# Allegro board board_orcad.brd (continued)
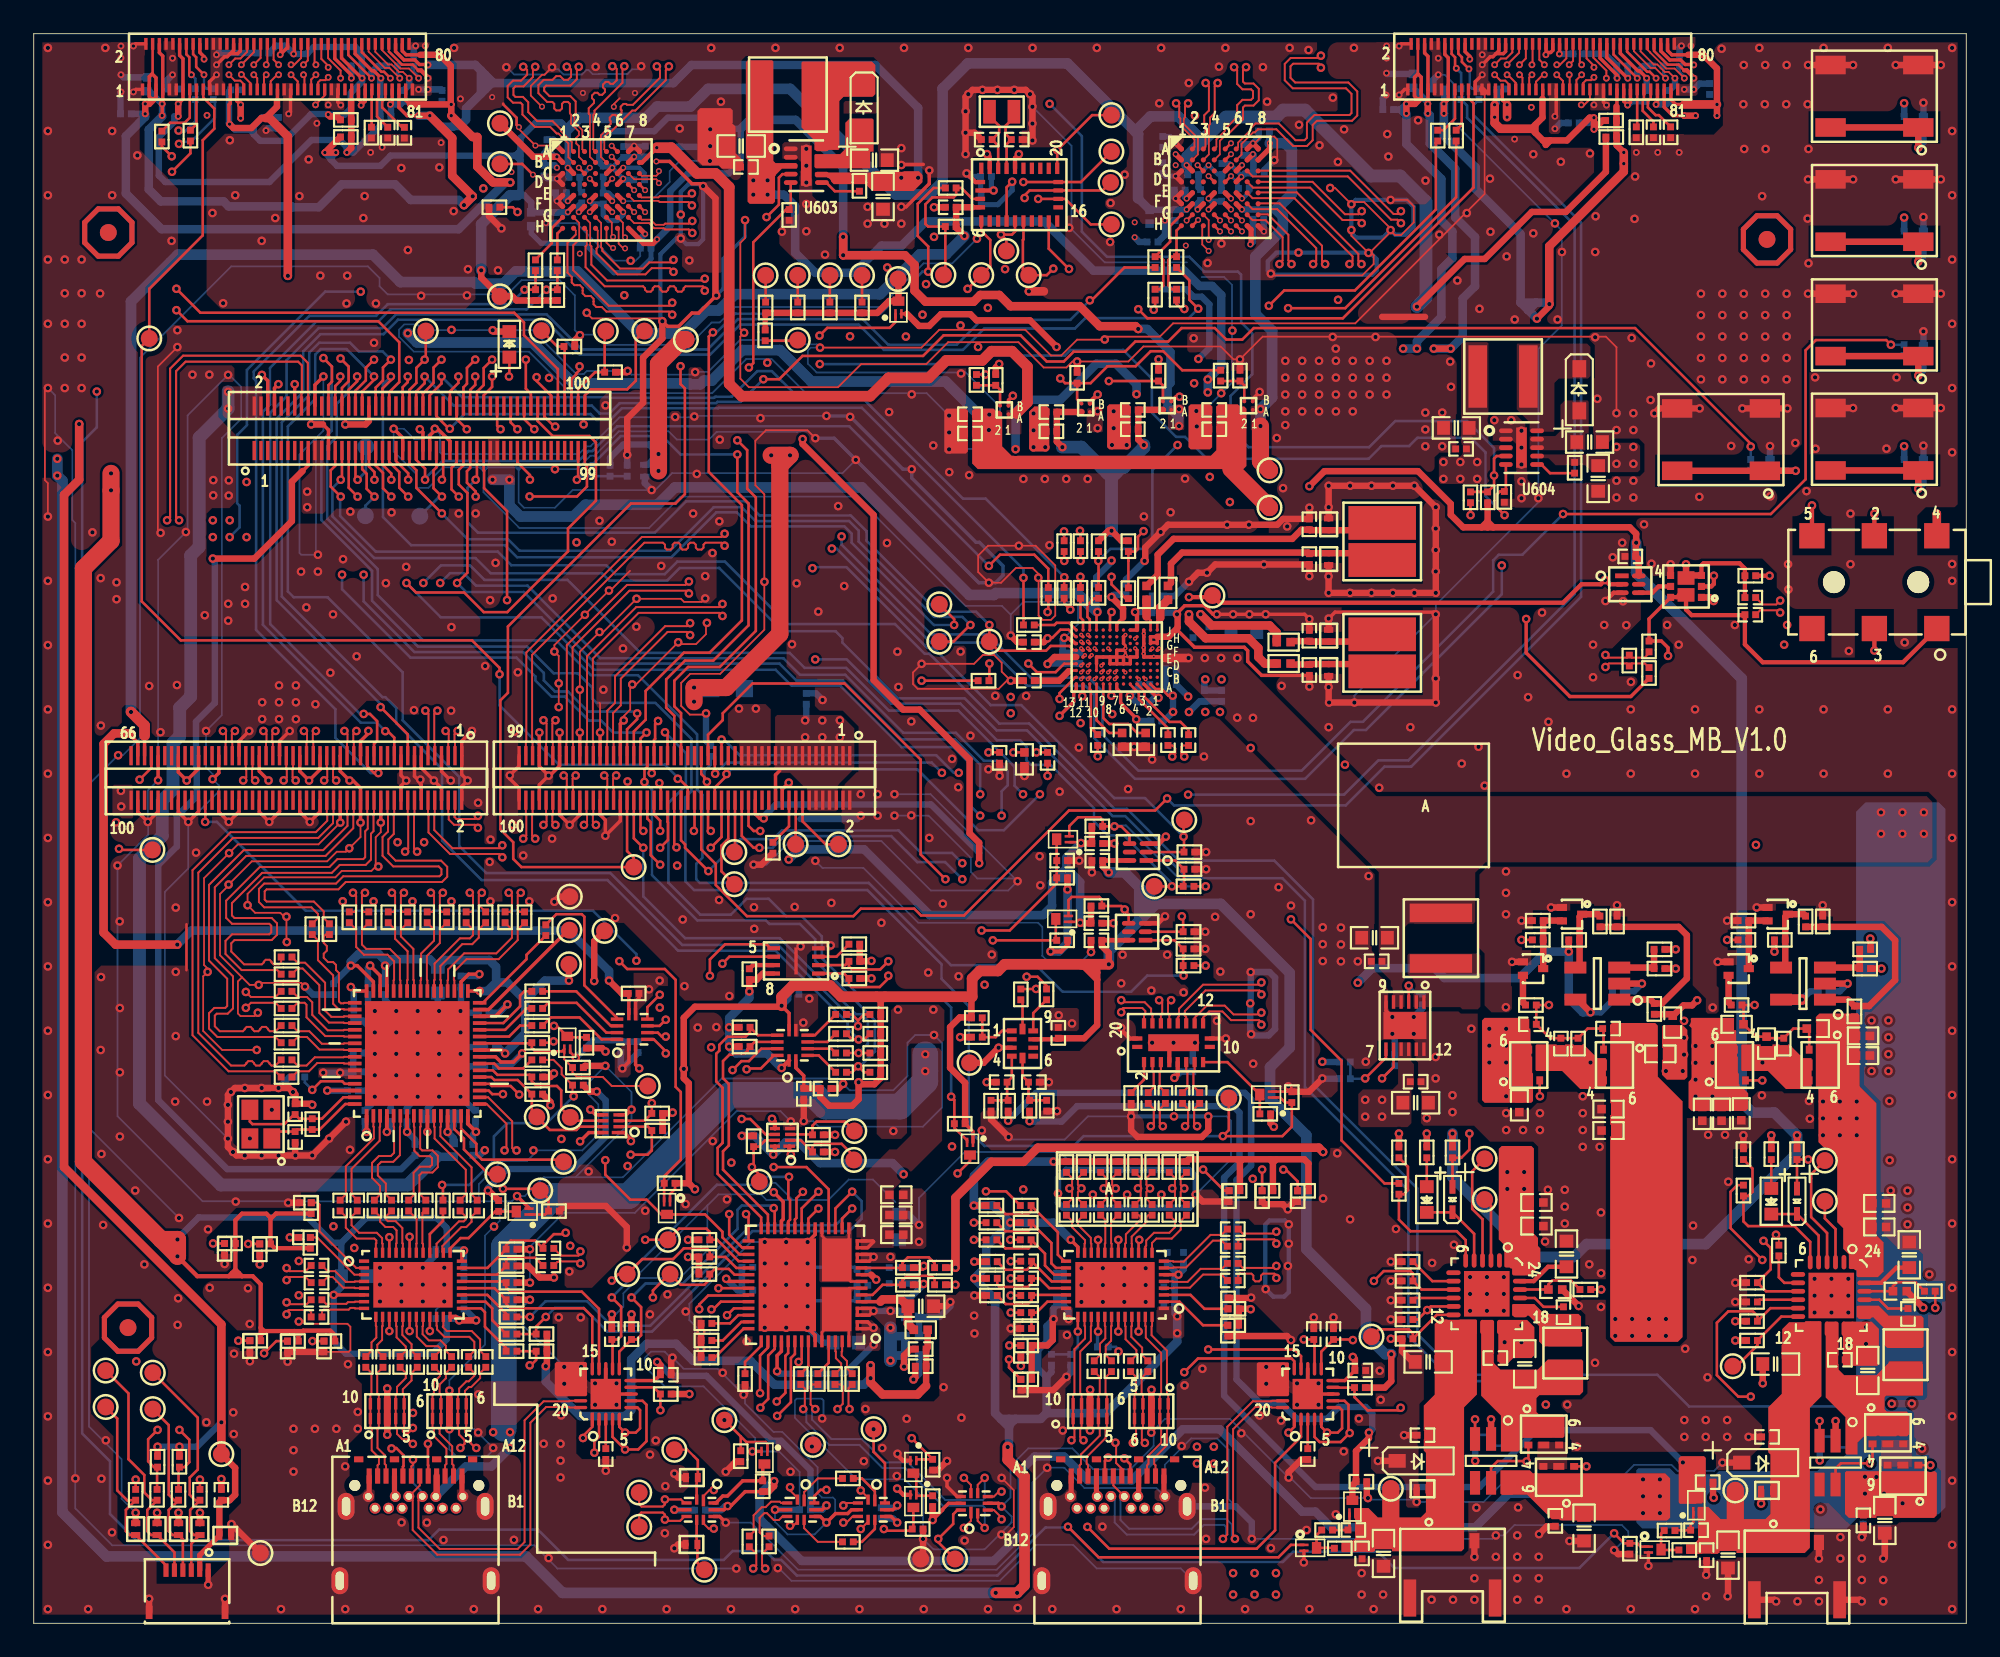
[diagram p0: board, top side]
## Routing (per net, layer and track width the routed paths; a pad name or vN(x,y) marks a point on that pad's centre or on a via; arc(x,y) is an arc through that point) (continued)
N15460207: length 4.5
  TOP w0.114: R742.1 21.42,41.13 21.42,40.58 22.16,39.84 22.16,38.15 22.13,38.12 U705.42
N15460545: length 4.5
  TOP w0.114: U705.41 22.53,38.12 22.5,38.15 22.5,39.98 21.76,40.72 21.76,41.13 R743.1
N15460884: length 4.5
  TOP w0.114: U705.40 22.93,38.12 22.96,38.15 22.96,39.7 23.73,40.47 23.73,41.13 R744.1
N15461224: length 4.5
  TOP w0.114: R745.1 24.07,41.13 24.07,40.33 23.3,39.56 23.3,38.15 23.33,38.12 U705.39
N15461565: length 5.5
  TOP w0.114: R746.1 26.04,41.13 26.04,40.79 25.85,40.6 25.26,40.6 23.76,39.11 23.76,38.15 23.73,38.12 U705.38
N15461907: length 5.5
  TOP w0.114: U705.37 24.13,38.12 24.1,38.15 24.1,38.96 25.4,40.26 25.99,40.26 26.38,40.65 26.38,41.13 R747.1
N15462250: length 6.9
  TOP w0.114: U705.36 24.53,38.12 24.56,38.15 24.56,38.76 25.51,39.71 27.42,39.71 28.35,40.64 28.35,41.13 R748.1
N15463405: length 6.9
  TOP w0.114: R749.1 28.69,41.13 28.69,40.5 27.56,39.37 25.65,39.37 24.9,38.62 24.9,38.15 24.93,38.12 U705.35
N15727685: length 3.8
  TOP w0.152: TP907.1 86.38,24.74 U901.3
N15728930: length 6.6
  TOP w0.152: U901.4 85.88,23.95 85.27,24.56 85.27,26.8 TP908.1
N15730580: length 3.9
  TOP w0.152: U902.3 106.8,23.37 106.17,24 TP910.1
N15731829: length 6.8
  TOP w0.152: TP909.1 105.36,26.62 105.36,24.08 106.3,23.14 U902.4
N15812820: length 4.1
  TOP w0.152: v1(78.92,32.3) 80.16,33.53 U803.7
  BOTTOM w0.152: R859.2 R860.1 78.91,32.28 v1(78.92,32.3)
N16283960: length 3
  TOP w0.152: R935.2 R936.2 57.02,34.75 57.4,35.12 U905.1
N16522035: length 8.1
  TOP w0.152: U602.D5 v2(34.29,85.64) ; v1(28.68,83.67) 28.4,83.95 R694.1
  ART03 w0.122: v1(28.68,83.67) 29.31,83.67 30.62,84.97 33.62,84.97 v2(34.29,85.64)
N16524234: length 1.4
  TOP w0.152: U601.D5 v2(70.97,85.79)
  BOTTOM w0.152: v2(70.97,85.79) 71.41,85.35 R684.1
N16591790: length 4.8
  TOP w0.152: TP716.1 26.97,26.62 25.5,28.09 25.5,28.73 24.93,29.3 U705.14
N16594066: length 8
  TOP w0.152: U705.15 25.33,29.33 26.24,28.42 26.24,27.81 26.57,27.48 31.28,27.48 TP717.1
N16795487: length 2.1
  TOP w0.152: R433.1 49.09,4.83 49.86,5.59 U405.7
N16795489: length 2.1
  TOP w0.152: U405.1 49.86,7.82 49.09,8.59 R432.1
N16795507: length 3.5
  TOP w0.114: U404.5 44.38,6.33 44.17,6.12 43.87,6.12 43.46,6.53 43.31,6.53 43.03,6.25 43.03,5.39 43.24,5.17 R431.1
N16795509: length 3.7
  TOP w0.114: R430.1 42.67,5.43 42.67,6.4 43.16,6.88 43.38,6.88 43.71,7.21 44.23,7.21 44.3,7.13 U404.3
N16856712: length 2
  TOP w0.152: R937.1 76.99,5.53 C936.2 77.99,5.62 Q809.1
N16875670: length 2.1
  TOP w0.152: Q810.1 98.37,5.99 98.22,5.83 C937.2 97.31,5.52 R938.1

## Copper pours and planes (outline as drawn; the poured copper is in the pictures)
GND on TOP (solid shape): 109.37,17.45 109.37,15.37 109.27,15.27 107.24,15.27 107.24,17.88 108.94,17.88
GND on TOP (solid shape): 32.79,15.42 32.79,13.54 32.72,13.46 31.01,13.46 30.89,13.59 30.89,15.39 30.99,15.49 32.72,15.49
GND on TOP (solid shape): 55.37,71.88 55.37,69.47 55.24,69.34 54.1,69.34 53.98,69.47 53.98,71.88 54.1,72.01 55.24,72.01
GND on TOP (solid shape): 60.2,72.01 60.2,69.6 60.07,69.47 59.16,69.47 59,69.62 59,71.82 59.32,72.14 60.07,72.14
GND on TOP (solid shape): 65.02,72.14 65.02,69.72 64.9,69.6 63.75,69.6 63.63,69.72 63.63,72.14 63.75,72.26 64.9,72.26
GND on TOP (solid shape): 69.85,72.14 69.85,69.72 69.72,69.6 68.58,69.6 68.45,69.72 68.45,72.14 68.58,72.26 69.72,72.26
GND on TOP (solid shape): 74.4,15.42 74.4,13.54 74.33,13.46 72.63,13.46 72.5,13.59 72.5,15.39 72.57,15.47 74.35,15.47
GND on TOP (solid shape): 88.95,17.55 88.95,15.89 88.78,15.72 87.7,15.72 87.34,15.37 86.97,15.37 86.82,15.52 86.82,17.98 88.52,17.98
GND on TOP (solid shape): 98.02,35.18 98.02,32.38 97.87,32.23 96.8,32.23 96.52,32.52 96.52,33.41 96.57,33.41 96.57,34.11 96.52,34.11 96.52,35.38 96.6,35.46 97.74,35.46
GND on TOP (solid shape): 41.43,89.69 41.43,88.96 41.4,88.93 41.61,88.72 41.61,87.15 41.96,86.79 41.96,86.76 42.06,86.66 42.06,86.26 41.91,86.11 41.63,86.11 41.5,86.23 40.8,86.23 40.61,86.42 39.64,86.42 39.34,86.72 39.34,89.66 39.51,89.82 41.3,89.82
GND on TOP: 10.33,90.59 11.3,90.59 11.32,90.61 11.32,91.33 11.19,91.46 11.19,92.61 11.36,92.78 11.51,92.78 11.64,92.91 11.64,93.08 11.55,93.16 11.17,93.16 11.13,93.2 11.13,93.97 11.11,94 10.52,94 10.48,93.96 10.48,91.6 10.32,91.43 10.32,90.59
GND on TOP: 90.48,90.26 90.37,90.37 90.37,91.26 90.32,91.31 89.77,91.31 89.75,91.28 89.75,90.58 89.81,90.52 89.81,88.42 89.94,88.29 90.37,88.29 90.48,88.4
GND on TOP: 97.15,93.28 97.76,93.28 97.93,93.45 98.37,93.45 98.5,93.58 98.5,94.01 98.47,94.05 97.22,94.05 97.14,93.97 97.14,93.29
GND on TOP: 81.71,93.29 80.49,93.29 80.44,93.24 80.44,91.36 80.54,91.26 81.51,91.26 81.56,91.21 81.56,90.6 81.51,90.55 79.68,90.55 79.58,90.65 79.58,93.73 81.76,93.73 81.76,93.34
GND on TOP: 44.96,41.15 47.24,41.15 47.37,41.02 47.37,40.01 47.24,39.88 46.1,39.88 45.85,39.62 45.85,38.48 45.72,38.35 44.96,38.35 44.83,38.48 44.83,41.02
GND on TOP: 92.32,89.69 93.41,89.69 93.44,89.72 93.44,90.2 93.17,90.46 93.17,91.25 93.14,91.29 92.55,91.29 92.53,91.26 92.53,90.76 92.53,90.75 92.53,90.47 92.27,90.21 92.27,89.74
GND on TOP: 35.56,35.79 35.64,35.71 35.79,35.71 35.84,35.76 35.84,35.94 35.84,35.95 35.84,36.34 36.73,37.23 36.73,37.45 37.05,37.77 37.59,37.77 37.59,38.61 37.49,38.71 35.64,38.71 35.56,38.63
GND on TOP: 78.8,14.54 78.7,14.64 78.7,15.37 78.8,15.47 79.9,15.47 80.1,15.28 80.1,14.64 80,14.54
GND on TOP: 48.01,49.66 51.31,49.66 51.44,49.53 51.44,47.5 51.31,47.37 48.01,47.37 47.88,47.5 47.88,49.53
GND on TOP: 83.02,90.51 82.89,90.63 82.89,93.12 82.71,93.3 82.71,93.78 83.4,93.78 83.4,93.15 83.55,93 83.55,90.53 83.53,90.51
GND on TOP: 60.3,36.47 61.85,36.47 61.95,36.37 61.95,35.23 61.82,35.1 60.3,35.1 60.22,35.18 60.22,36.4
GND on TOP: 94.79,88.29 97.79,88.29 97.92,88.16 97.92,86.66 97.84,86.59 94.79,86.59 94.72,86.66 94.72,88.21
GND on TOP: 52.91,22.35 52.76,22.2 51.36,22.2 51.28,22.28 51.28,25.63 51.44,25.78 52.63,25.78 52.91,25.5
GND on TOP: 22.36,90.55 23.5,90.55 23.6,90.65 23.6,91.72 23.55,91.77 23.24,91.77 23.17,91.69 23.17,91.34 23.07,91.24 22.58,91.24 22.53,91.29 22.36,91.29 22.33,91.26 22.33,90.58
GND on TOP: 85.35,90.59 86.33,90.59 86.35,90.61 86.35,91.33 86.22,91.46 86.22,92.61 86.39,92.78 86.54,92.78 86.66,92.91 86.66,93.08 86.58,93.16 86.2,93.16 86.16,93.2 86.16,93.97 86.14,94 85.55,94 85.51,93.96 85.51,91.6 85.35,91.43 85.35,90.59
GND on TOP: 14.85,89.05 15.41,89.05 15.46,89.1 15.46,90.26 15.34,90.37 15.34,91.26 15.29,91.31 14.75,91.31 14.72,91.28 14.72,90.58 14.78,90.52 14.78,89.12
GND on TOP: 109.78,13.32 111.93,13.32 112.36,13.75 112.36,16.27 112.57,16.48 113.79,16.48 113.95,16.32 113.95,12.04 113.8,11.89 111.64,11.89 111.49,12.04 111.49,12.34 111.15,12.68 109.83,12.68 109.76,12.75 109.76,13.3
GND on TOP: 19.76,88.29 22.25,88.29 22.35,88.19 22.35,86.74 22.2,86.59 19.76,86.59 19.69,86.66 19.69,88.21
GND on TOP: 7.99,90.51 7.86,90.63 7.86,93.12 7.68,93.3 7.68,93.78 8.37,93.78 8.37,93.15 8.52,93 8.52,90.53 8.5,90.51
GND on TOP: 86.95,66.18 95.14,66.18 95.22,66.26 95.22,67.91 95.16,67.98 93.6,67.98 93.18,67.56 88.79,67.56 88.51,67.83 88.51,71.2 88.11,71.6 86.51,71.6 86.44,71.53 86.44,70.08 86.51,70 87.77,70 87.87,69.9 87.87,68.5 87.88,68.49 87.88,66.77 87.78,66.66 86.96,66.66 86.94,66.64 86.94,66.19
GND on TOP: 82.22,72.21 83.79,72.21 84,72.01 84,70.43 84.45,69.98 84.45,69.42 84.3,69.27 82.22,69.27 82.12,69.37 82.12,72.11
GND on TOP: 97.38,90.55 98.53,90.55 98.63,90.65 98.63,91.72 98.58,91.77 98.27,91.77 98.2,91.69 98.2,91.34 98.09,91.24 97.61,91.24 97.56,91.29 97.38,91.29 97.36,91.26 97.36,90.58
GND on TOP: 0.51,0.51 0.51,93.73 114.05,93.73 114.05,66.34 113.87,66.17 112.16,66.17 111.65,65.66 111.65,65.43 112.07,65.01 113.87,65.01 114.05,65.19 114.05,0.51 ; 164 cut-outs
GND on TOP: 84.63,30.02 84.53,29.92 82.35,29.92 82.25,30.02 82.25,30.89 82.27,30.91 82.27,31.52 82.02,31.78 82.02,32.87 82.04,32.89 82.04,33.25 81.81,33.48 81.81,34.37 81.64,34.54 77.32,34.54 77.11,34.75 77.11,41.58 77.32,41.78 78.99,41.78 79.2,41.58 79.2,39.98 79.5,39.67 79.5,38.35 80.29,37.57 80.29,36.45 80.47,36.27 84.45,36.27 84.63,36.09
GND on TOP: 6.68,93.29 5.46,93.29 5.41,93.24 5.41,91.36 5.51,91.26 6.48,91.26 6.53,91.21 6.53,90.6 6.48,90.55 4.65,90.55 4.55,90.65 4.55,93.73 6.73,93.73 6.73,93.34
GND on TOP: 44.22,82.25 44.22,83.29 44.4,83.46 45.24,83.46 45.39,83.62 45.39,86.64 45.26,86.77 44.45,86.77 44.37,86.84 44.37,87.68 44.5,87.81 46.05,87.81 46.15,87.71 46.15,84.61 46.51,84.25 52.1,84.25 52.22,84.12 52.22,82.55 52.21,82.54 52.21,81.6 52.07,81.46 44.53,81.46 44.2,81.79 44.2,82.22
GND on TOP: 94.49,62.61 93.29,62.61 93.19,62.71 93.19,64.29 93.32,64.41 94.46,64.41 94.54,64.34 94.54,62.66
GND on TOP: 45.09,34.77 45.31,34.77 45.36,34.82 45.36,35.08 45.52,35.23 45.85,35.23 46.5,35.88 46.5,37.24 46.41,37.33 45.17,37.33 45.06,37.23 45.06,34.8
GND on TOP: 17.29,89.69 18.38,89.69 18.41,89.72 18.41,90.2 18.14,90.46 18.14,91.25 18.11,91.29 17.52,91.29 17.5,91.26 17.5,90.76 17.5,90.75 17.5,90.47 17.24,90.21 17.24,89.74
GND on BOTTOM: 0.51,0.51 0.51,93.73 13.51,93.73 13.51,92.34 15.6,92.34 15.6,93.73 114.05,93.73 114.05,0.51 ; 94 cut-outs
GND on BOTTOM: 60.2,21.34 62.23,21.34 62.36,21.21 62.36,19.81 62.23,19.68 61.72,19.68 61.34,20.07 60.2,20.07 60.07,20.19 60.07,21.21
GND on GND02: 65.08,57.23 66.84,58.98 66.84,59.41 66.79,59.46 64.52,59.46 64.44,59.39 64.44,57.27 64.49,57.23
GND on GND02: 0.51,0.51 0.51,93.73 114.05,93.73 114.05,0.51 ; 3 cut-outs
GND on ART03: 0.51,0.51 0.51,93.73 114.05,93.73 114.05,0.51 ; 121 cut-outs
GND on GND04: 0.51,0.51 0.51,93.73 114.05,93.73 114.05,0.51 ; 2 cut-outs
GND on ART05: 0.51,0.51 0.51,93.73 114.05,93.73 114.05,0.51 ; 1 cut-out
GND on ART06: 0.51,0.51 0.51,93.73 114.05,93.73 114.05,0.51 ; 69 cut-outs
GND on GND07: 0.51,0.51 0.51,93.73 114.05,93.73 114.05,0.51 ; 2 cut-outs
(no net) on TOP: 86.69,17.98 88.52,17.98 88.95,17.55 88.95,15.89 88.78,15.72 87.7,15.72 87.34,15.37 86.77,15.37 86.64,15.49 86.64,17.93
(no net) on TOP: 104.98,4.17 105.28,4.47 105.28,12.78 105.97,13.46 105.97,17.86 105.92,17.91 105.03,17.91 104.97,17.84 104.05,17.84 103.64,17.44 103.64,16.52 103.61,16.48 103.61,15.7 103.62,15.68 103.62,13.6 102.82,12.8 102.82,10.13 102.95,10.01 102.95,6.48 102.64,6.17 100,6.17 99.27,6.9 98.69,6.9 98.63,6.84 98.63,6.12 98.65,6.1 98.65,4.95 98.5,4.8 97.99,4.8 97.94,4.75 97.94,4.14 97.97,4.11 99.82,4.11 99.87,4.17
(no net) on TOP: 98.02,35.18 98.02,32.38 97.87,32.23 96.55,32.23 96.39,32.38 96.39,35.26 96.6,35.46 97.74,35.46
(no net) on TOP: 108.13,20.52 108.05,20.6 108.05,20.85 107.9,21.01 107.65,21.01 107.59,21.06 107.59,21.87 107.26,22.2 107.26,23.42 106.91,23.77 106.91,27.41 105.79,28.52 105.79,31.67 105.64,31.83 105.64,35.94 105.84,36.14 108.13,36.14 108.23,36.04 108.23,31.83 109.22,30.84 109.22,23.01 109.65,22.58 109.65,20.85 109.32,20.52
(no net) on TOP: 108.1,18.82 109.37,18.82 109.96,18.24 111.88,18.24 112.02,18.09 112.02,16.42 111.93,16.33 109.87,16.33 109.65,16.55 109.65,17.53 109.12,18.06 108.13,18.06 108.05,18.14 108.05,18.77
(no net) on TOP: 46.35,86.08 52.47,86.08 52.68,85.87 52.68,85.43 52.16,84.91 49.71,84.91 49.3,85.32 47.42,85.32 47.02,85.72 46.38,85.72 46.3,85.8 46.3,86.03
(no net) on TOP: 87.71,20.62 87.63,20.7 87.63,20.95 87.48,21.11 87.22,21.11 87.17,21.16 87.17,22.43 86.84,22.76 86.84,28.12 87.02,28.3 88.77,28.3 88.93,28.14 88.93,23.09 89.17,22.85 89.17,22.36 89.31,22.23 89.31,21.23 88.7,20.62
(no net) on TOP: 99.11,7.09 97.58,7.09 97.51,7.16 97.51,9.78 97.64,9.91 99.01,9.91 99.11,9.8
(no net) on TOP: 96.27,32.41 97.74,30.94 97.74,16.97 97.46,16.69 93.73,16.69 93.45,16.97 93.45,35.48 93.55,35.59 96.11,35.59 96.27,35.43
(no net) on TOP: 87.68,18.92 88.95,18.92 89.53,18.34 91.57,18.34 91.72,18.19 91.72,16.42 89.52,16.42 89.23,16.71 89.23,17.63 88.7,18.16 87.71,18.16 87.63,18.24 87.63,18.87
(no net) on TOP: 101.27,34.32 104.06,34.32 104.88,33.5 105.38,33.5 105.44,33.45 105.44,31.72 105.38,31.67 103.86,31.67 102.79,32.74 101.27,32.74 101.22,32.79 101.22,34.26
(no net) on TOP: 55.63,68.76 55.63,71.88 55.75,72.01 56.9,72.01 57.02,71.88 57.28,71.88 57.4,71.75 57.4,69.77 57.96,69.22 69.77,69.22 70.1,69.55 70.1,72.14 70.23,72.26 71.37,72.26 71.5,72.14 71.75,72.14 71.88,72.01 71.88,68.61 71.7,68.43 55.96,68.43
(no net) on TOP: 69.85,72.14 69.85,69.72 69.72,69.6 68.58,69.6 68.45,69.72 68.45,72.14 68.58,72.26 69.72,72.26
(no net) on TOP: 32.79,13.54 32.72,13.46 31.01,13.46 30.89,13.59 30.89,15.39 30.99,15.49 32.72,15.49 32.79,15.42
(no net) on TOP: 60.2,72.01 60.2,69.6 60.07,69.47 59.16,69.47 59,69.62 59,71.93 59.21,72.14 60.07,72.14
(no net) on TOP: 107.44,9.02 112.7,9.02 112.8,8.92 112.8,6.4 112.65,6.25 107.59,6.25 107.37,6.48 107.37,8.94
(no net) on TOP: 42.32,92.66 43.76,92.66 43.84,92.58 43.84,86.69 43.97,86.56 45.19,86.56 45.26,86.49 45.26,86.28 45.21,86.23 44.35,86.23 43.99,85.88 43.99,85.27 43.95,85.23 43.95,84.29 43.81,84.15 42.44,84.15 42.32,84.28 42.32,86.77 42.21,86.87 42.21,92.56
(no net) on TOP: 100.76,35.89 100.91,35.74 100.91,34.37 101.07,34.21 101.07,31.98 101.63,31.42 101.63,30.51 101.5,30.38 98.27,30.38 98.09,30.56 98.09,35.71 98.27,35.89
(no net) on TOP: 41.4,88.93 41.61,88.72 41.61,87.15 42.06,86.69 42.06,86.26 41.91,86.11 41.63,86.11 41.5,86.23 39.83,86.23 39.34,86.72 39.34,89.66 39.51,89.82 41.3,89.82 41.43,89.69 41.43,88.96
(no net) on TOP: 107.11,17.88 108.94,17.88 109.37,17.45 109.37,15.37 109.27,15.27 107.19,15.27 107.06,15.39 107.06,17.83
(no net) on TOP: 90.65,11 89,11 89,11 88.26,11 88.09,10.83 88.09,10.29 87.99,10.19 86.97,10.19 86.97,12.32 85.7,13.59 85.7,17.88 85.8,17.98 86.49,17.98 86.56,17.91 86.56,15.41 86.94,15.04 89.15,15.04 89.75,15.63 91.74,15.63 91.84,15.53 91.84,13.73 91.64,13.52 89.25,13.52 89.07,13.35 89.07,12.53 89.19,12.41 90.61,12.41 90.74,12.28 90.74,11.08
(no net) on TOP: 88.68,9.07 88.86,8.89 96.7,8.89 97,8.59 97,6.27 96.82,6.1 90.06,6.1 88.53,7.63 87.01,7.63 86.94,7.69 86.94,9.04 86.97,9.07
(no net) on TOP: 89.08,34.32 91.87,34.32 92.68,33.5 93.19,33.5 93.24,33.45 93.24,31.72 93.19,31.67 91.67,31.67 90.6,32.74 89.08,32.74 89.03,32.79 89.03,34.26
(no net) on TOP: 74.4,13.54 74.33,13.46 72.63,13.46 72.5,13.59 72.5,15.39 72.6,15.49 74.33,15.49 74.4,15.42
(no net) on TOP: 109.23,14.71 110.02,15.5 111.84,15.5 111.99,15.35 111.99,13.53 111.96,13.5 109.8,13.5 109.71,13.41 109.71,12.68 109.84,12.55 111.02,12.55 111.2,12.38 111.2,11.24 111.08,11.13 109.22,11.13 109.2,11.1 108.5,11.1 108.1,10.7 108.1,10.01 107.47,10.01 107.39,10.08 107.39,12.22 106.12,13.49 106.12,17.78 106.22,17.88 106.91,17.88 106.98,17.81 106.98,15.04 107.31,14.71
(no net) on TOP: 88.57,35.89 88.72,35.74 88.72,34.37 88.87,34.21 88.87,30.96 88.77,30.86 86,30.86 85.85,31.01 85.85,35.74 86,35.89
(no net) on TOP: 84.63,4.27 84.79,4.42 84.79,12.8 85.55,13.56 85.55,17.96 85.5,18.01 83.31,18.01 83.05,17.74 83.05,13.55 82.4,12.9 82.4,10.24 82.52,10.11 82.52,6.58 82.22,6.27 79.67,6.27 79.12,6.83 78.28,6.83 78.27,6.82 78.27,6.23 78.33,6.17 78.33,5.02 78.21,4.9 77.57,4.9 77.52,4.85 77.52,4.24 77.55,4.22 79.4,4.22 79.45,4.27
(no net) on TOP: 45.57,92.58 49.68,92.58 49.89,92.38 49.89,90.65 49.73,90.5 48.01,90.5 47.75,90.25 47.75,87.4 47.6,87.25 46.33,87.25 46.28,87.3 46.28,87.91 45.52,88.67 45.52,92.53
(no net) on TOP: 46.33,87.1 47.8,87.1 48.11,87.4 48.11,88.95 48.36,89.2 49.71,89.2 49.78,89.13 49.78,86.36 49.68,86.26 46.35,86.26 46.28,86.33 46.28,87.05
(no net) on TOP: 55.37,71.88 55.37,69.47 55.24,69.34 54.1,69.34 53.98,69.47 53.98,71.88 54.1,72.01 55.24,72.01
(no net) on TOP: 65.02,72.14 65.02,69.72 64.9,69.6 63.75,69.6 63.63,69.72 63.63,72.14 63.75,72.26 64.9,72.26
(no net) on BOTTOM: 95.22,9.3 97.18,9.3 97.46,9.02 105.71,9.02 106.6,9.91 106.78,9.91 106.79,9.89 107.3,9.89 108.03,10.62 108.03,48.11 108.58,48.67 112.93,48.67 113.29,48.3 113.3,48.3 113.32,48.28 113.32,6.87 112.9,6.45 110.72,6.45 110.59,6.32 108.18,6.32 107.47,5.61 95.35,5.61 95,5.97 95,9.07
(no net) on ART05: 62.57,7.21 61.73,8.05 59.36,8.05 58.72,8.69 58.72,10.01 58.9,10.19 62.19,10.19 62.91,9.47 65.73,9.47 67.44,11.18 70.18,11.18 70.54,10.82 70.54,9.4 70.13,8.99 67.64,8.99 65.86,7.21 65.3,7.21 65.15,7.37 65.15,8.03 65,8.18 63.53,8.18 63.37,8.03 63.37,7.34 63.25,7.21
CHG_PWR on TOP (solid shape): 88.65,35.81 88.65,35.26 88.71,35.26 88.71,35.15 88.72,35.15 88.72,34.37 88.77,34.32 88.77,32.69 88.87,32.58 88.87,30.96 88.77,30.86 86,30.86 85.85,31.01 85.85,35.74 86,35.89 88.57,35.89
CHG_PWR on TOP (solid shape): 88.93,28.14 88.93,23.09 89.17,22.85 89.17,22.36 89.31,22.23 89.31,21.23 88.7,20.62 87.71,20.62 87.63,20.7 87.63,21.04 87.55,21.04 87.48,21.11 87.22,21.11 87.17,21.16 87.17,21.22 87.17,21.79 87.17,21.82 87.17,22.43 86.84,22.76 86.84,28.12 87.02,28.3 88.77,28.3
CHG_PWR on TOP (solid shape): 108.23,36.04 108.23,31.83 109.22,30.84 109.22,23.01 109.65,22.58 109.65,20.85 109.32,20.52 108.13,20.52 108.06,20.6 108.06,20.93 107.97,20.93 107.9,21.01 107.65,21.01 107.59,21.06 107.6,21.12 107.6,21.69 107.59,21.87 107.26,22.2 107.26,23.42 106.91,23.77 106.91,27.41 106.82,27.49 106.82,27.51 106.63,27.89 106.25,28.08 106.23,28.08 105.79,28.52 105.79,31.67 105.64,31.83 105.64,34.9 105.66,34.9 105.66,35.61 105.64,35.61 105.64,35.94 105.84,36.14 108.13,36.14
CHG_PWR on ART06: 91.77,34.59 91.77,31.7 92.58,30.89 104.93,30.89 105.27,31.23 108.7,31.23 108.99,30.94 108.99,25.4 108.69,25.1 86.21,25.1 85.88,25.43 85.88,35.23 86.23,35.59 89.46,35.59 90.14,34.9 91.47,34.9
DRAIN1 on TOP: 46.6,23.78 46.82,23.78 46.85,23.74 46.85,23.04 46.89,23 48.11,23 48.22,23.1 48.22,23.77 48.24,23.79 48.42,23.79 48.51,23.7 48.51,20.45 48.6,20.37 49.4,20.37 49.42,20.34 49.42,20.18 49.4,20.16 46.7,20.16 46.56,20.29 46.56,23.74
DRAIN2 on TOP: 46.69,19.96 49.4,19.96 49.43,19.92 49.43,19.79 49.39,19.75 48.6,19.75 48.48,19.63 48.48,16.4 48.43,16.36 48.22,16.36 48.2,16.38 48.2,17.23 48.16,17.27 46.9,17.27 46.82,17.19 46.82,16.37 46.81,16.35 46.64,16.35 46.61,16.38 46.61,19.89
L_LCD_VCCP on BOTTOM: 23.75,90.42 25.1,90.42 25.22,90.3 25.22,89.31 25.1,89.18 24.54,89.18 23.75,89.97 23.7,89.97 23.7,90.37
L_VBAT on TOP (solid shape): 105.97,17.86 105.97,13.46 105.28,12.78 105.28,4.47 104.98,4.17 100.93,4.17 100.93,4.29 99.93,4.29 99.93,4.17 99.87,4.17 99.82,4.11 99.41,4.11 99.41,4.14 98.91,4.14 98.91,4.11 97.97,4.11 97.94,4.14 97.94,4.75 97.99,4.8 98.5,4.8 98.65,4.95 98.65,6.1 98.63,6.12 98.63,6.84 98.69,6.9 99.27,6.9 100,6.17 102.64,6.17 102.95,6.48 102.95,10.01 102.82,10.13 102.82,10.8 102.84,10.8 102.84,11.3 102.82,11.3 102.82,12.8 103.62,13.6 103.62,15.68 103.61,15.7 103.61,16.48 103.64,16.52 103.64,17.44 104.05,17.84 104.97,17.84 105.03,17.91 105.92,17.91
L_VBUS on TOP (solid shape): 100.79,35.16 100.91,35.16 100.91,34.37 100.96,34.32 100.96,32.69 101.07,32.58 101.07,31.98 101.11,31.94 101.11,31.79 101.25,31.79 101.63,31.42 101.63,30.51 101.5,30.38 98.27,30.38 98.09,30.56 98.09,32.1 98.27,32.28 98.27,35.28 98.12,35.44 98.22,35.61 98.22,35.8 98.21,35.83 98.27,35.89 100.79,35.89
L_VBUS on TOP: 48.72,22.17 50.88,22.17 50.98,22.28 50.98,25.73 53.85,28.6 53.85,33.91 53.64,34.11 52.07,34.11 52.02,34.06 52.02,28.96 51.16,28.09 50.72,28.09 49.34,26.71 49.34,26.28 49.33,26.26 49.33,24.54 48.67,23.88 48.67,22.23
L_VBUS on BOTTOM: 26.85,11.71 28.57,11.71 28.8,11.48 28.8,10.21 28.55,9.96 28.12,9.96 26.8,11.28 26.8,11.66
L_VBUS on ART05: 88.66,1.79 82.69,1.79 82.11,1.2 57.98,1.2 58.02,1.25 58.08,1.29 58.12,1.37 58.07,1.46 57.91,1.68 57.92,1.96 57.91,2.05 57.82,2.1 57.49,2.1 57.41,2.05 57.4,1.96 57.3,1.51 56.84,1.44 56.75,1.43 56.7,1.35 56.7,1.28 56.73,1.27 56.79,1.24 56.84,1.2 28.2,1.2 27.69,1.72 27.69,5.84 27.3,6.22 21.59,6.22 20.95,6.86 20.95,8.76 21.4,9.21 23.27,9.21 23.65,9.59 26.61,9.59 26.92,9.91 26.92,11.79 27.05,11.91 30.05,11.91 36.94,5.03 66.75,5.03 71.22,9.5 80.64,9.5 82.42,11.28 86,11.28 95.89,21.16 95.89,35 96.19,35.31 101.19,35.31 101.52,34.98 101.52,14.66 ; 1 cut-out
L_VBUS on ART06: 28.97,11.67 35.76,4.88 45.14,4.88 45.53,4.48 45.61,4.48 46,4.09 54.36,4.09 54.81,4.55 69.14,4.55 69.14,4.54 69.33,4.54 70.47,3.4 73.99,3.4 74.24,3.15 74.24,1.47 74.08,1.31 33.95,1.31 27.22,8.04 26.39,7.21 21.03,7.21 20.71,7.53 20.71,8.79 20.93,9 20.93,9.02 21.08,9.17 24.1,9.17 24.59,9.65 26.72,9.65 27,9.93 27,11.58 27.09,11.67 ; 1 cut-out
L_VDD1_1V8 on BOTTOM: 9.07,89.18 9.02,89.13 8.36,89.13 8.32,89.16 8.32,91.16 8.36,91.19 8.36,91.21 9.02,91.21 9.07,91.16
L_VDD_10V on TOP (solid shape): 51.27,86.08 51.43,86.05 51.59,86.08 51.59,86.08 52.47,86.08 52.68,85.87 52.68,85.43 52.16,84.91 49.71,84.91 49.3,85.32 47.42,85.32 47.28,85.46 47.27,85.48 47.19,85.62 47.06,85.7 47.04,85.7 47.02,85.72 46.38,85.72 46.3,85.8 46.3,86 49.79,86 49.86,86.08 51.26,86.08
LCD_1V2_L on TOP: 58.55,70.54 58.5,70.48 57.68,70.48 57.58,70.59 57.58,71.81 57.78,72.01 58.5,72.01 58.55,71.96
LCD_1V2_R on TOP: 73.03,70.79 72.97,70.74 72.16,70.74 72.06,70.84 72.06,72.06 72.26,72.26 72.97,72.26 73.03,72.21
LCD_1V2_R on BOTTOM: 67.79,86.23 67.39,86.23 67.24,86.39 66.42,86.39 66.37,86.44 66.37,87.66 66.42,87.71 67.24,87.71 67.29,87.66 67.29,87.4 67.34,87.35 67.79,87.35 67.84,87.3 67.84,86.28
LCD_1V2_R on ART06: 67.01,87.3 67.84,87.3 68.07,87.07 68.07,86.33 69.1,85.31 72.2,85.31 72.34,85.17 72.34,83.72 72.22,83.6 68.85,83.6 67.69,84.76 67.08,84.76 66.9,84.94 66.9,87.2
LCD_1V8_L on TOP: 68.2,70.79 68.15,70.74 67.34,70.74 67.23,70.84 67.23,72.06 67.44,72.26 68.15,72.26 68.2,72.21
LCD_1V8_R on TOP: 63.37,70.66 63.32,70.61 62.51,70.61 62.41,70.71 62.41,71.93 62.61,72.14 63.32,72.14 63.37,72.09
LCD_1V8_R on BOTTOM: 65.07,82.02 66.37,82.02 66.47,82.12 66.47,83.19 66.42,83.24 65.81,83.24 65.71,83.34 65.02,83.34 65.02,83.31 64.92,83.21 64.92,82.17
LL_VBAT on TOP (solid shape): 99.11,9.8 99.11,7.15 98.58,7.15 98.52,7.09 97.58,7.09 97.51,7.16 97.51,9.78 97.64,9.91 99.01,9.91
LT_VCC12 on TOP: 19.41,32.94 19.46,32.89 19.46,32.28 19.43,32.26 16.97,32.26 16.87,32.36 16.87,32.87 16.94,32.94
LT_VCC33 on TOP: 35.18,34.7 35.31,34.7 35.38,34.62 35.38,32.54 35.2,32.36 34.59,32.36 34.44,32.51 34.44,33.78 35.13,34.47 35.13,34.65
PD_LDO_3V3 on BOTTOM: 49.28,21.31 50.83,21.31 50.93,21.21 50.93,19 50.85,18.92 49.3,18.92 49.23,19 49.23,21.26
R_LCD_VCCP on BOTTOM: 99.06,90.83 99.9,90.83 100.05,90.68 100.05,89.1 99.95,89 99.09,89 99.01,89.08 99.01,90.78
R_VBAT on TOP (solid shape): 83.82,17.99 83.87,17.99 84.44,17.99 84.49,17.99 84.54,18.01 85.5,18.01 85.55,17.96 85.55,13.56 84.79,12.8 84.79,4.42 84.63,4.27 80.51,4.27 80.51,4.39 79.51,4.39 79.51,4.27 79.45,4.27 79.4,4.22 78.99,4.22 78.99,4.24 78.49,4.24 78.49,4.22 77.55,4.22 77.52,4.24 77.52,4.85 77.57,4.9 78.21,4.9 78.33,5.02 78.33,6.17 78.27,6.23 78.27,6.82 78.28,6.83 79.12,6.83 79.67,6.27 82.22,6.27 82.52,6.58 82.52,10.11 82.4,10.24 82.4,10.9 82.42,10.9 82.42,11.4 82.4,11.4 82.4,12.9 83.05,13.55 83.05,17.74 83.31,18.01 83.77,18.01
R_VBUS on TOP (solid shape): 96.27,35.43 96.27,32.41 97.74,30.94 97.74,16.97 97.46,16.69 93.73,16.69 93.45,16.97 93.45,28.86 93.5,28.86 93.5,29.56 93.45,29.56 93.45,30.13 93.5,30.13 93.5,30.83 93.45,30.83 93.45,35.48 93.55,35.59 96.11,35.59
R_VBUS on ART05 (solid shape): outline of 171 points within 58.72,7.21 70.54,11.18
R_VBUS on TOP: 48.69,18.8 51,18.8 51.1,18.69 51.1,17.3 50.98,17.17 50.67,17.17 50.04,17.81 49.94,17.81 49.58,18.16 48.72,18.16 48.67,18.21 48.67,18.77
R_VBUS on ART06: 92.76,18.29 97,18.29 97.13,18.16 97.13,10.03 97.1,10.01 97.1,9.68 89.05,1.63 77.8,1.63 77.74,1.69 76.26,1.69 69.14,8.81 67.36,8.81 65.74,7.19 62.53,7.19 62.12,7.61 62.18,7.67 62.18,9.22 62.23,9.27 65.61,9.27 66.62,10.29 66.62,11.79 66.7,11.86 72.95,11.86 74.73,10.08 84.56,10.08
R_VDD_10V on TOP: 88.83,69.34 93.06,69.34 93.7,69.98 95.04,69.98 95.22,69.8 95.22,68.38 95.09,68.24 92.37,68.24 91.96,68.65 90.21,68.65 89.79,69.07 88.8,69.07 88.76,69.11 88.76,69.27
SYS_5V on TOP: 48.72,17.96 49.68,17.96 50.19,17.45 50.19,16.26 50.09,16.15 48.77,16.15 48.67,16.26 48.67,17.91
SYS_5V on TOP: 80.9,34.44 81.58,34.44 81.66,34.37 81.66,33.3 81.81,33.15 81.81,31.75 81.66,31.6 81.66,29.64 81.43,29.41 78.66,29.41 78.51,29.57 78.51,31.37 78.79,31.65 80.54,31.65 80.87,31.98 80.87,34.42
SYS_5V on TOP: 48.69,22 51,22 51.1,21.89 51.1,21.46 51,21.36 48.72,21.36 48.67,21.41 48.67,21.97
SYS_5V on BOTTOM: 48.51,17.78 49.91,17.78 50.04,17.65 50.04,16.13 49.91,16 48.51,16 48.39,16.13 48.39,17.65
SYS_5V on BOTTOM: 50.55,23.11 51.82,23.11 51.94,22.99 51.94,21.49 51.89,21.44 49.61,21.44 49.53,21.51 49.53,22.1 49.66,22.23 49.91,22.23 50.42,22.73 50.42,22.99
SYS_VBAT on TOP (solid shape): 88.86,8.89 96.7,8.89 97,8.59 97,6.27 96.82,6.1 90.55,6.1 90.55,6.11 90.45,6.11 90.45,6.17 89.98,6.17 88.53,7.63 87.01,7.63 86.94,7.69 86.94,9.04 86.97,9.07 88.68,9.07
SYS_VBAT on TOP (solid shape): 43.84,92.58 43.84,86.69 43.97,86.56 45.19,86.56 45.26,86.49 45.26,86.28 45.21,86.23 44.35,86.23 43.99,85.88 43.99,85.85 43.94,85.79 43.94,84.28 43.81,84.15 42.44,84.15 42.32,84.28 42.32,86.77 42.21,86.87 42.21,92.56 42.32,92.66 43.76,92.66
SYS_VBAT on TOP (solid shape): 112.23,9.02 112.42,8.97 112.61,9.01 112.62,9.02 112.7,9.02 112.8,8.92 112.8,6.4 112.65,6.25 110.23,6.25 110.23,6.35 109.23,6.35 109.23,6.25 107.59,6.25 107.37,6.48 107.37,8.94 107.44,9.02
SYS_VBAT on BOTTOM (solid shape): outline of 1463 points within 95,5.61 113.32,48.67
SYS_VBAT on TOP: 84.71,75.95 86.16,75.95 86.23,75.87 86.23,69.98 86.36,69.85 87.58,69.85 87.66,69.77 87.66,69.57 87.6,69.52 86.74,69.52 86.39,69.16 86.39,67.82 86.11,67.54 83.4,67.54 83.29,67.65 83.29,69.02 83.43,69.16 84.54,69.16 84.7,69.32 84.7,69.43 84.61,69.52 84.61,75.84
SYS_VBAT on TOP: 44.07,53.85 47.85,53.85 48.64,53.06 48.64,50.67 47.75,49.78 47.75,49.76 47.65,49.66 47.65,48.23 47.55,48.13 45.97,48.13 45.85,48.26 45.85,49.4 44.83,50.42 44.2,50.42 43.81,50.8 43.81,53.59
SYS_VBAT on TOP: 80.54,36.4 80.44,36.5 80.44,38.1 79.73,38.81 79.73,44.53 67.67,56.59 67.67,56.71 67.02,56.71 66.93,56.8 66.93,57.62 67.11,57.8 71.53,57.8 71.78,57.55 71.78,56.85 79.59,49.03 112.2,49.03 112.55,48.69 112.55,45.39 112.27,45.11 86.06,45.11 85.45,44.5 85.45,41.58 85.32,41.45 81.84,41.45 81.81,41.48 81.48,41.48 81.25,41.25 81.25,36.5 81.15,36.4
SYS_VBAT on BOTTOM: 71.34,59.18 70.56,59.18 70.02,58.64 68.22,58.64 68.13,58.56 68.13,56.91 68.3,56.74 70.18,56.74 71.13,55.8 71.13,53.55 71.5,53.17 72.58,53.17 74.84,55.44 74.84,56.15 85.8,67.11 85.8,69.19 85.67,69.32 80.34,69.32 73.71,62.69 73.71,57.63 73.42,57.35 72.28,57.35 71.67,57.95 71.67,58 71.36,58.31 71.36,59.16
SYS_VBAT on ART05: 55.92,68.85 83.22,68.85 83.79,69.42 85.81,69.42 86.11,69.13 86.11,65.3 85.39,64.59 70.08,64.59 68.98,65.69 59.04,65.69 51.59,58.24 51.59,52.12 51.05,51.59 45.62,51.59 45.24,51.97 45.24,53.34 47.98,56.08 47.98,60.91
USB_VBUS_5V on BOTTOM: 38.91,55.98 40.43,55.98 40.69,55.73 40.69,54.61 40.43,54.36 38.98,54.36 38.86,54.48 38.86,55.93
VREG_L15A_1P2 on TOP (solid shape): 71.5,72.14 71.75,72.14 71.88,72.01 71.88,68.61 71.7,68.43 55.96,68.43 55.63,68.76 55.63,71.88 55.75,72.01 56.9,72.01 57.02,71.88 57.28,71.88 57.4,71.75 57.4,69.77 57.96,69.22 58.09,69.22 58.2,69.2 58.31,69.22 59.05,69.22 59.05,69.21 60.18,69.21 60.18,69.22 69.77,69.22 70.1,69.55 70.1,72.14 70.23,72.26 71.37,72.26
VREG_L18A_1P8 on TOP: 4.75,49.71 5.8,49.71 5.9,49.61 5.9,47.79 5.83,47.72 4.78,47.72 4.66,47.83 4.66,49.62
VREG_L19A_1P2 on TOP: 13.54,71.55 13.44,71.45 11.35,71.45 11.2,71.6 11.2,73.28 11.25,73.33 13.44,73.33 13.54,73.23
VREG_L21A_3P3 on TOP: 16.54,70.13 17.14,70.13 17.2,70.08 17.2,68.91 17.3,68.81 17.3,65.93 17.15,65.78 15.99,65.78 15.88,65.89 15.88,67.72 16.48,68.33 16.48,70.08
VREG_L29A_3P3 on TOP: 66.67,18.8 68.07,18.8 68.2,18.67 68.2,17.02 68.07,16.89 66.93,16.89 66.55,17.27 66.55,18.67
VREG_L29A_3P3 on TOP: 60.33,18.8 61.47,18.8 61.59,18.67 61.59,17.78 61.47,17.65 60.33,17.65 60.2,17.78 60.2,18.67
VREG_S4A_1P8 on TOP: 27,70.28 27.51,70.28 27.61,70.18 27.61,68.86 27.76,68.71 28.37,68.71 28.52,68.55 28.52,67.54 28.47,67.49 27.05,67.49 26.9,67.64 26.9,70.18
N574665 on TOP: 43.69,50.93 43.56,50.8 41.91,50.8 41.78,50.93 41.78,52.07 41.15,52.7 41.15,53.93 41.71,54.49 43.38,54.49 43.69,54.18
N574665 on BOTTOM: 41.53,56.04 43.08,56.04 43.3,55.81 43.3,53.78 43.18,53.65 41.58,53.65 41.45,53.78 41.45,55.97
N910665 on TOP (solid shape): 86.56,17.91 86.56,15.97 86.54,15.97 86.54,15.47 86.56,15.47 86.56,15.41 86.6,15.37 86.61,15.37 86.94,15.04 89.15,15.04 89.75,15.63 91.74,15.63 91.84,15.53 91.84,13.73 91.64,13.52 89.25,13.52 89.07,13.35 89.07,12.53 89.19,12.41 90.61,12.41 90.74,12.28 90.74,11.08 90.65,11 89,11 89,11 88.26,11 88.09,10.83 88.09,10.29 87.99,10.19 86.97,10.19 86.97,12.32 85.8,13.49 85.8,17.98 86.49,17.98
N914415 on TOP (solid shape): 89.53,18.34 91.57,18.34 91.72,18.19 91.72,16.42 89.52,16.42 89.23,16.71 89.23,17.63 89.21,17.65 89.21,17.66 88.62,18.24 87.63,18.24 87.63,18.88 87.68,18.92 88.95,18.92
N4320964 on TOP (solid shape): 90.28,34.27 90.78,34.27 90.78,34.32 91.29,34.32 91.29,34.27 91.79,34.27 91.79,34.32 91.87,34.32 92.68,33.5 93.19,33.5 93.19,31.67 91.67,31.67 90.6,32.74 89.08,32.74 89.03,32.79 89.03,34.26 89.08,34.32 90.28,34.32
N4426875 on TOP (solid shape): 102.37,34.22 103.07,34.22 103.07,34.32 103.48,34.32 103.48,34.27 103.98,34.27 103.98,34.32 104.06,34.32 104.88,33.5 105.38,33.5 105.38,31.67 103.86,31.67 102.79,32.74 101.27,32.74 101.22,32.79 101.22,34.26 101.27,34.32 102.37,34.32
N5005255 on TOP: 89.17,10.85 90.79,10.85 90.9,10.74 90.9,9.12 90.85,9.07 89.25,9.07 89.12,9.19 89.12,10.79
N5119881 on TOP: 81.51,39.7 85.65,39.7 85.75,39.6 85.75,36.55 85.6,36.4 81.89,36.4 81.79,36.5 81.79,38.15 81.43,38.51 81.43,39.62
N5481925 on TOP (solid shape): 49.78,89.13 49.78,87.24 49.58,87.24 49.58,86.26 46.35,86.26 46.28,86.33 46.28,87.05 46.33,87.1 47.8,87.1 48.11,87.4 48.11,88.95 48.36,89.2 49.71,89.2
N5542711 on TOP: 88.72,70.38 90.2,70.38 90.5,70.69 90.5,72.24 90.75,72.49 92.1,72.49 92.18,72.42 92.18,69.65 92.08,69.55 88.75,69.55 88.67,69.62 88.67,70.33
N5566951 on TOP: 87.96,75.87 92.08,75.87 92.28,75.67 92.28,73.94 92.13,73.79 90.4,73.79 90.14,73.53 90.14,70.69 89.99,70.54 88.72,70.54 88.67,70.59 88.67,71.2 87.91,71.96 87.91,75.82
N5572453 on TOP (solid shape): 49.89,92.38 49.89,90.65 49.73,90.5 48.01,90.5 47.75,90.25 47.75,87.41 47.7,87.35 46.28,87.35 46.28,87.91 45.52,88.67 45.52,92.53 45.57,92.58 49.68,92.58
N11232438 on TOP (solid shape): 109.96,18.24 111.88,18.24 112.02,18.09 112.02,16.42 111.93,16.33 109.87,16.33 109.65,16.55 109.65,17.53 109.63,17.55 109.63,17.56 109.05,18.14 108.06,18.14 108.06,18.77 108.1,18.82 109.37,18.82
N11232708 on TOP (solid shape): 106.98,17.81 106.98,15.87 106.96,15.87 106.96,15.37 106.98,15.37 106.98,15.04 107.31,14.71 109.23,14.71 110.02,15.5 111.84,15.5 111.99,15.35 111.99,13.53 111.96,13.5 109.8,13.5 109.71,13.41 109.71,12.68 109.84,12.55 111.02,12.55 111.2,12.38 111.2,11.24 111.08,11.13 109.22,11.13 109.2,11.1 108.5,11.1 108.1,10.7 108.1,10.01 107.47,10.01 107.39,10.08 107.39,12.22 106.22,13.39 106.22,17.88 106.91,17.88
N13955736 on TOP: 109.52,10.9 111.23,10.9 111.33,10.8 111.33,9.25 111.23,9.15 109.6,9.15 109.5,9.25 109.5,10.88

Small or netless copper shapes (teardrops, artwork), in the pictures only: 6 on TOP

## Text on the board
User.Comments: CR_456456_2 | CR_2222_2 | CR_177777_2 | CR_55555_3 | CR_66666_2 | CR_33333_1 | CR_4_2 | CR_1111D_1 | CR_123123_2 | CR_5_1 | CR_6_2 | CR_5_2 | CR_5_3 | CR_111_1 | CR_9_1 | CR_9_2 | CR_55555_1 | CR_44444_1
Ref Des/Silkscreen Top: U603 | A | U604 | Video_Glass_MB_V1.0
NCLEGEND-1-8: FIGURE | SIZE | 8.0 | 10.0 | 15.75 | 25.59 | 51.18 | 43.31x19.69 | DRILL CHART: TOP to BOTTOM | ALL UNITS ARE IN MILS | PLATED | NON-PLATED | QTY | 252 | 2139 | 24 | 4 | 2 | 8
NCLEGEND-2-7: FIGURE | SIZE | 8.0 | DRILL CHART: GND02 to GND07 | ALL UNITS ARE IN MILS | PLATED | QTY | 13
User.5: FIGURE | SIZE | 4.0 | DRILL CHART: TOP to GND02 | ALL UNITS ARE IN MILS | PLATED | QTY | 38
